# Altium PCB qfc.PcbDoc (part 4 of 13)
Units mil, origin at the board's own origin, x right, y up, seen from the top; angles counter-clockwise.
Board outline 1990 x 2620 mil, 4 copper layers (Top Layer, Mid-Layer 1, Mid-Layer 2, Bottom Layer); 217 components, 187 nets, 805 pads, 370 vias.
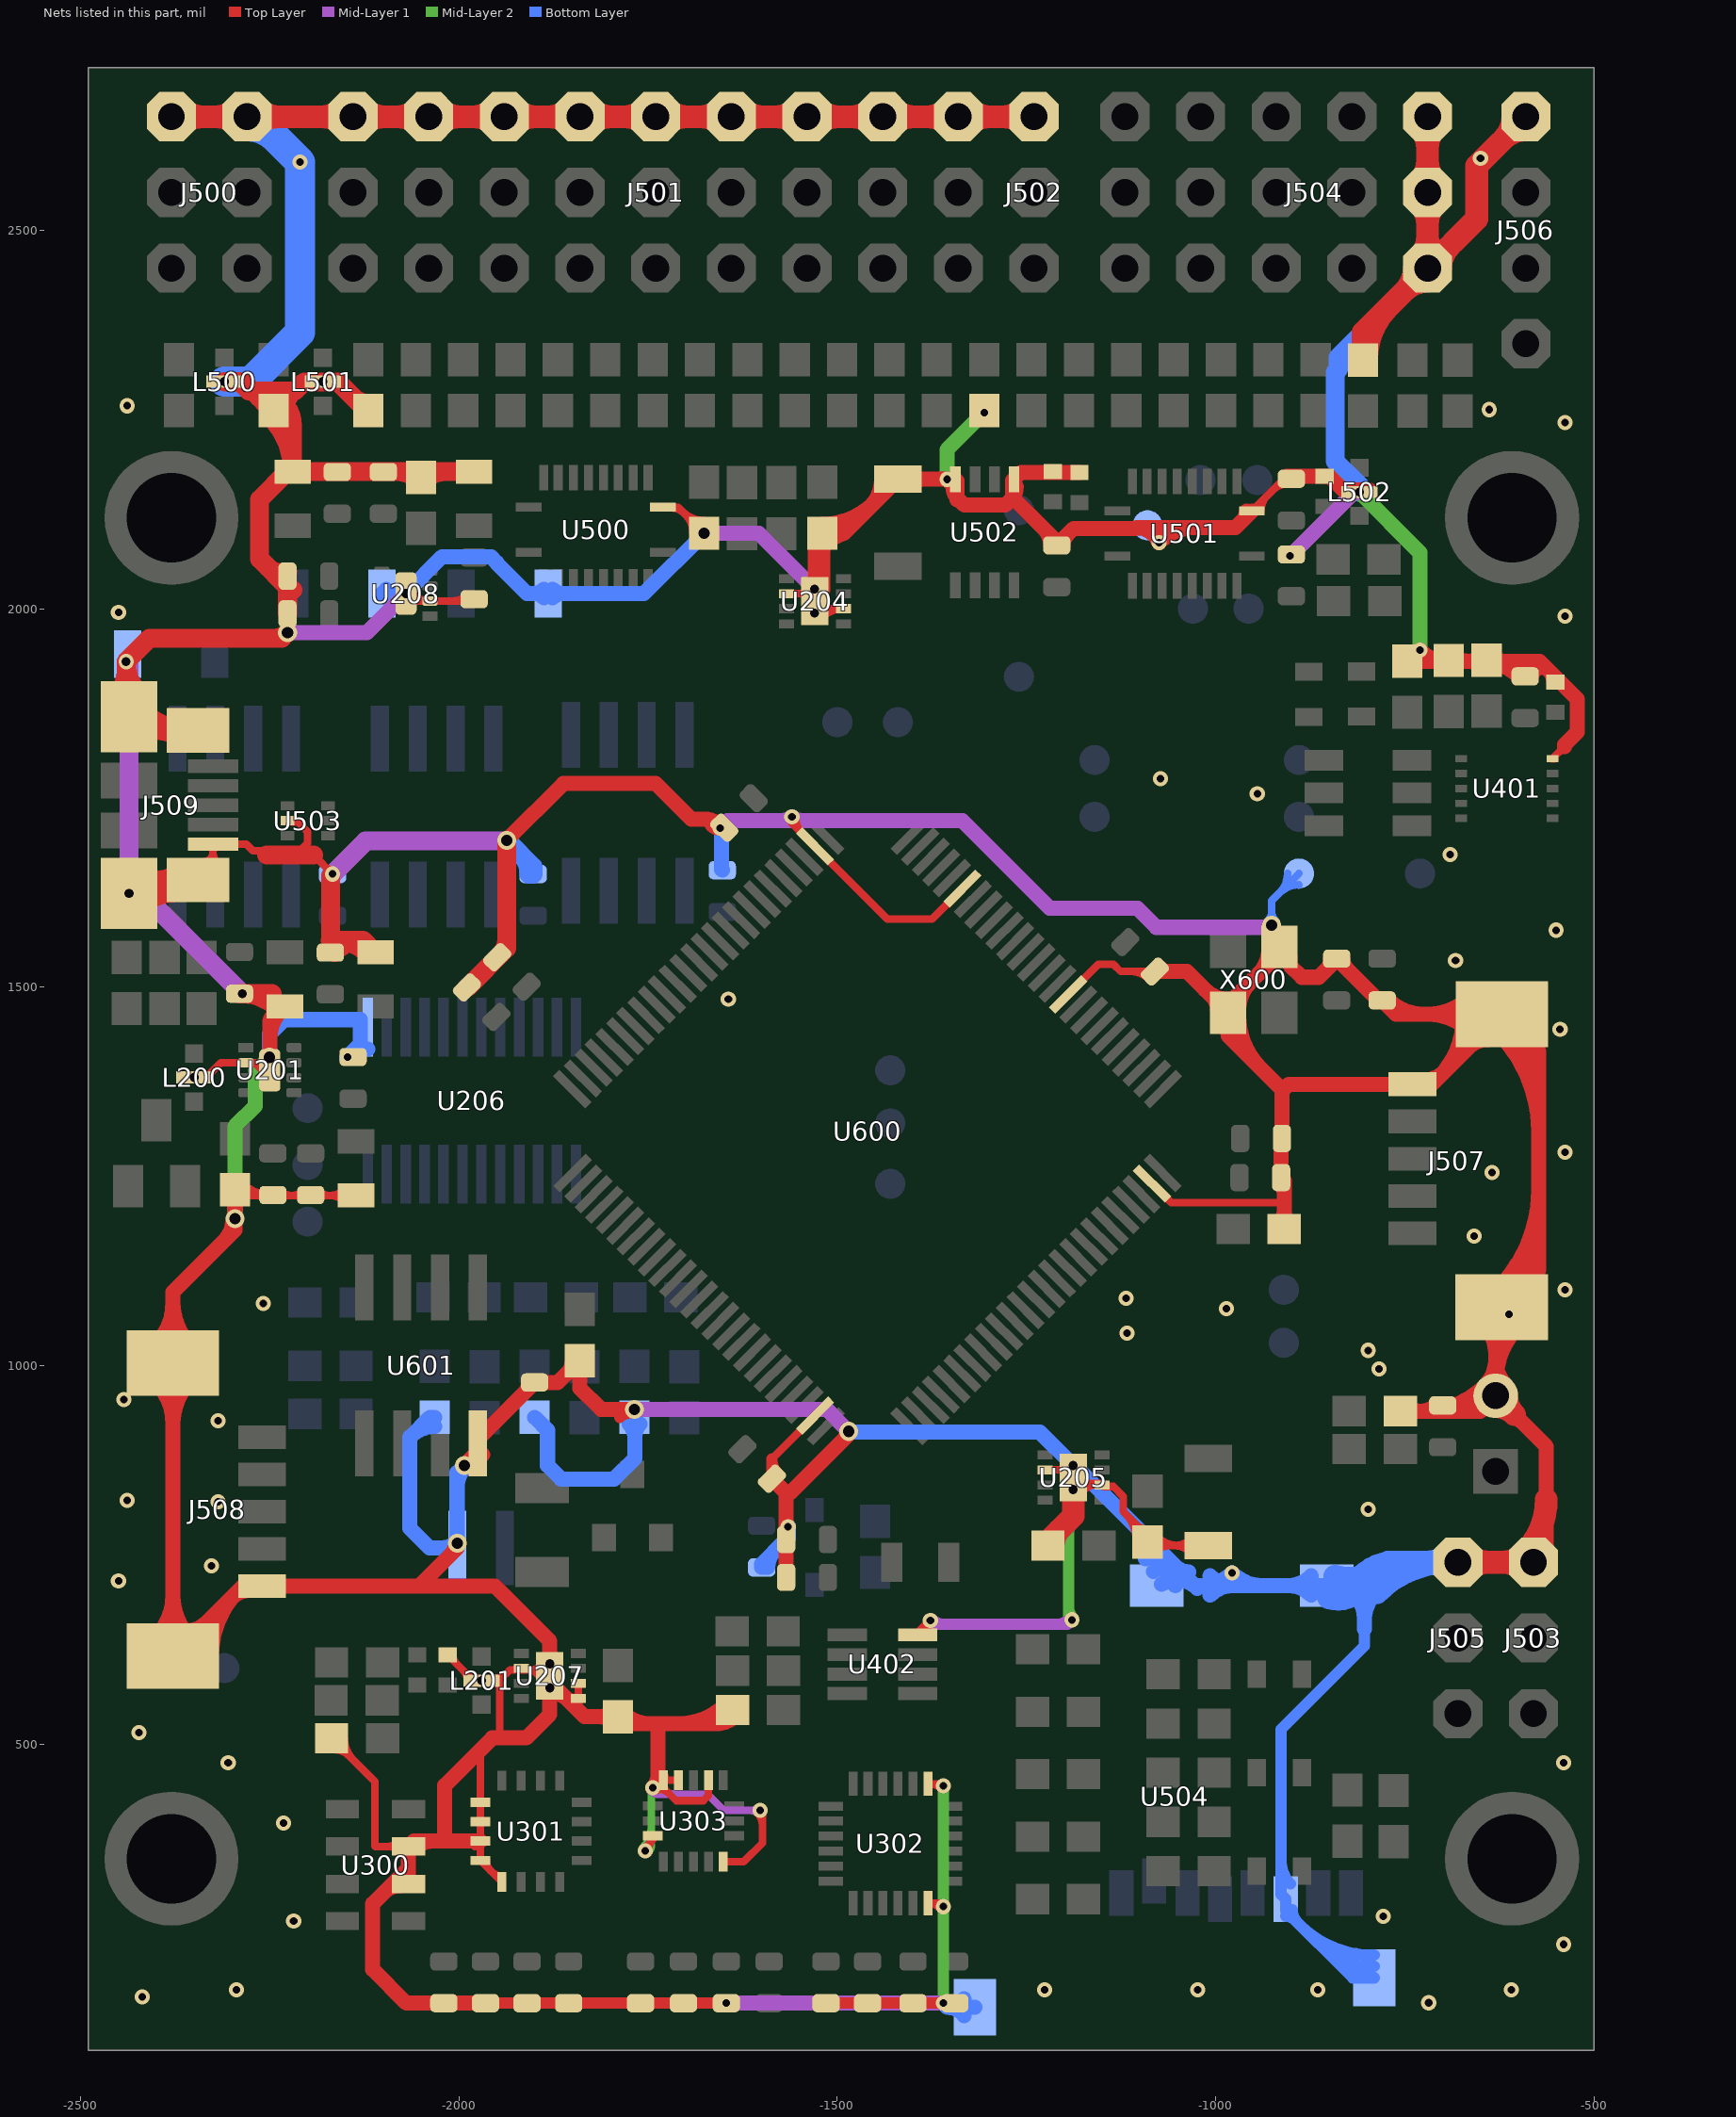
[diagram p6: the nets of this part, all layers, seen from the top]

## Via types
v1: diameter 20, hole 10, Top Layer to Bottom Layer, tented both sides, 256 vias
v2: diameter 22, hole 12, Top Layer to Bottom Layer, tented both sides, 31 vias
v3: diameter 25, hole 15, Top Layer to Bottom Layer, tented both sides, 29 vias
v4: diameter 20, hole 12, Top Layer to Bottom Layer, tented both sides, 17 vias
v5: diameter 30, hole 15, Top Layer to Bottom Layer, tented both sides, 12 vias
v6: diameter 25, hole 12, Top Layer to Bottom Layer, tented both sides, 11 vias
v7: diameter 25, hole 13, Top Layer to Bottom Layer, tented both sides, 5 vias
v8: diameter 40, hole 25, Top Layer to Bottom Layer, tented both sides, 2 vias
v9: diameter 23, hole 13, Top Layer to Bottom Layer, tented both sides, 2 vias
v10: diameter 30, hole 20, Top Layer to Bottom Layer, tented both sides, 2 vias
v11: diameter 20, hole 13, Top Layer to Bottom Layer, tented both sides, 1 vias
v12: diameter 20, hole 15, Top Layer to Bottom Layer, tented both sides, 1 vias
v13: diameter 30, hole 18, Top Layer to Bottom Layer, tented both sides, 1 vias

## Nets (pads, with @x,y where several pads share a name; then routed paths per layer and width w, separated by ;. In a path a pad name is that pad's centre, name@x,y a point inside that pad or via, vN(x,y) a via of type N, cw(c..) or ccw(c..) an arc to the next point about the centre after c; other vN are vias at no path point) (continued)
GND: "C 600.P$2" "C 601.P$1" B600.- C200.P$1 C201.P$2 C202.P$1 C203.P$2 C204.P$1 C205.P$2 C206.P$2 C207.2 C208.P$2 C209.2 C210.P$2 C211.P$2 C212.P$2 C213.2 C214.P$2 C215.P$2 C216.P$2 C217.2 C218.P$2 C219.P$2 C220.2 C221.P$2 C300.P$2 C301.P$2 C302.P$2 C303.P$2 C304.P$2 C305.P$2 C306.P$2 C307.P$2 C308.P$2 C309.P$2 C311.P$2 C400.P$2 C401.P$2 C402.P$2 C403.P$2 C500.P$2 C501.P$2 C502.P$1 C503.P$2 C600.P$2 C601.P$2 C602.P$2 C603.P$2 C604.P$2 C605.P$2 C606.P$2 C607.P$1 C608.P$2 D202.A D400.A D500.A D501.A D502.A GND..P$1 GND.P$1 J500.GND J501.GND J502.GND J503.GND J504.GND J505.GND J506.GND J507.5 J507.GND J508.5 J508.GND J509.GND J509.GND1 J509.GND2 J509.GND3 J509.GND4 L200.GND L201.GND L500.GND L501.GND L502.GND P400.2 R201.1 R210.1 R212.1 R215.1 R218.1 R219.1 R220.1 R221.1 R222.1 R223.2 R226.1 R227.1 R401.1 R404.1 R407.2 R409.2 R412.1 R413.1 R506.1 R507.1 R513.1 R601.1 U201.2 U201.GND U204.2 U204.6 U204.GND U205.2 U205.6 U205.GND U206.13 U207.2 U207.5 U207.6 U207.GND U208.2 U208.GND U300.2 U300.3 U301.9 U301.10 U301.11 U301.12 U301.13 U302.1 U302.18 U303.5 U303.10 U303.12 U303.13 U303.16 U401.5 U402.4 U500.11 U501.11 U502.1 U502.4 U503.2 U504.6 U600.20 U600.VSS U601.4 X600.2 X600.4 | length 65593.6
  Top Layer w10: L200.GND@-2334,1380.74 -2314.74,1400 U201.2@-2281.5,1400 -2269.78,1400 -2259.78,1390 U201.GND@-2250,1390 ; J509.GND3@-2325,1661.57 -2325,1678 ; J509.GND@-2325,1688.82 -2281.18,1688.82 -2272.36,1680 -2210,1680 -2200,1690 -2200,1705.4 -2212.6,1718 -2224.57,1718 U503.2@-2226.57,1720 ; R201.1@-2296,1232.23 -2288.46,1224.69 C207.2@-2136,1224.69 ; L501.GND@-2195.75,2300 L501.GND@-2158.09,2300 ; -2192.17,1674.5 v1(-2167,1649.32) ; R226.1@-2168.46,507.61 -2111,450.15 -2111,365 -2110.61,364.61 U300.3@-2066.69,364.61 ; v1(-2147.44,1407.56) C210.P$2@-2140,1407.56 ; C209.2@-2110.44,1545.56 C209.2@-2110,1546 ; v4(-2070,2020) -2060,2010 U208.2@-2038.5,2010 ; D202.A@-2015,617.61 -1986,588.61 L201.GND@-1986,583.61 ; C500.P$2@-1980,2012.44 -1982.44,2010 U208.2@-2038.5,2010 ; -1979.06,364.61 U301.11@-1971.93,371.73 ; -1971.93,482.07 U301.9@-1971.93,422.91 U301.12@-1971.93,346.14 U301.13@-1943.39,317.6 ; L201.GND@-1954.25,583.61 L201.GND@-1946.76,583.61 ; -1946,508 -1946,582.86 L201.GND@-1946.76,583.61 ; U207.GND@-1894.43,590 -1902.43,598 ; U207.5@-1842,560 U207.6@-1842,580 ; v1@-1754,363.37 U303.16@-1744,373.37 ; U303.16@-1744,378.58 U303.16@-1744,373.37 ; U500.11@-1730.42,2134 -1710.46,2134 v5(-1676,2099.54) ; U303.12@-1710,452.27 U303.13@-1730,452.27 -1730,442 -1713,425 -1677,425 -1670.31,431.69 U303.10@-1670.31,452.27 ; U303.5@-1650.63,344.33 -1623.67,344.33 -1599,369 -1599,409 v1(-1602,412) ; -1586.51,876.6 U600.VSS@-1529.3,933.82 ; U204.2@-1567.4,2019.84 -1539.84,2019.84 U204.GND@-1530,2010 ; v1@-1560,1716.23 U600.VSS@-1529.6,1685.83 -1433.77,1590 -1374.87,1590 U600.20@-1334.73,1630.15 ; U204.GND@-1520,2000 U204.6@-1492,2000 ; U302.1@-1380,447.27 v1@-1362.27,447.27 ; v1@-1364.53,289.53 U302.18@-1380,289.53 ; v1(-1305.93,2259.07) R412.1@-1305.93,2261.54 ; U205.2@-1225.59,862 U205.GND@-1197,862 ; U600.VSS@-1194.86,1490.28 -1155.15,1530 -1135,1530 -1125.51,1520.51 C602.P$2@-1080.51,1520.51 ; U205.GND@-1188.19,836.16 U205.GND@-1188.19,852.16 ; U205.GND@-1180.03,844 U205.6@-1152.03,844 ; U600.VSS@-1084.15,1240.38 -1058.77,1215 -909.52,1215 ; v1(-1075,2087) -1075,2105 ; C215.P$2@-1010,762 -1085.46,762 R222.1@-1090,766.54 -1090,775.03 -1122,807.03 -1122,826.94 -1135.22,840.16 -1148.19,840.16 U205.6@-1150.19,842.16 U205.6@-1152.03,844 ; U501.11@-952.17,2128.96 -906.14,2175 -847,2175 L502.GND@-826,2154 ; v1(-901.56,2070) C502.P$1@-900,2071.56 ; -784.88,1482.44 -780,1482.44 ; U401.5@-555,1801.74 -539.03,1817.71 ; J509.GND3@-2335.78,1665.92 ccw(c-2337.16,1678) -2325,1678 ; J509.GND3@-2335.78,1665.92 ccw(c-2337.16,1678) -2325,1678 ; J509.GND3@-2335.78,1665.92 ccw(c-2337.16,1678) -2325,1678 ; J509.GND3@-2335.78,1665.92 ccw(c-2337.16,1678) -2325,1678 ; J509.GND@-2327.83,1685.99 cw(c-2334.66,1679.16) -2325,1679.16 ; J509.GND@-2327.83,1685.99 cw(c-2334.66,1679.16) -2325,1679.16 ; J509.GND@-2327.83,1685.99 cw(c-2334.66,1679.16) -2325,1679.16 ; J509.GND@-2327.83,1685.99 cw(c-2334.66,1679.16) -2325,1679.16 ; J509.GND@-2327.83,1685.99 cw(c-2334.66,1679.16) -2325,1679.16 ; J509.GND@-2327.83,1685.99 cw(c-2334.66,1679.16) -2325,1679.16 ; J509.GND@-2327.83,1685.99 cw(c-2334.66,1679.16) -2325,1679.16 ; J509.GND@-2327.83,1685.99 cw(c-2334.66,1679.16) -2325,1679.16 ; -2325,1678 ccw(c-2301.05,1678) J509.GND3@-2316.84,1659.99 ; -2325,1678 ccw(c-2301.05,1678) J509.GND3@-2316.84,1659.99 ; -2325,1678 ccw(c-2301.05,1678) J509.GND3@-2316.84,1659.99 ; -2325,1678 ccw(c-2301.05,1678) J509.GND3@-2316.84,1659.99 ; -2325,1679.16 cw(c-2315.34,1679.16) J509.GND@-2322.17,1685.99 ; -2325,1679.16 cw(c-2315.34,1679.16) J509.GND@-2322.17,1685.99 ; -2325,1679.16 cw(c-2315.34,1679.16) J509.GND@-2322.17,1685.99 ; -2325,1679.16 cw(c-2315.34,1679.16) J509.GND@-2322.17,1685.99 ; -2325,1679.16 cw(c-2315.34,1679.16) J509.GND@-2322.17,1685.99 ; -2325,1679.16 cw(c-2315.34,1679.16) J509.GND@-2322.17,1685.99 ; -2325,1679.16 cw(c-2315.34,1679.16) J509.GND@-2322.17,1685.99 ; -2325,1679.16 cw(c-2315.34,1679.16) J509.GND@-2322.17,1685.99 ; J509.GND@-2297.67,1685.99 cw(c-2290.84,1679.16) -2290.84,1688.82 ; J509.GND@-2297.67,1685.99 cw(c-2290.84,1679.16) -2290.84,1688.82 ; J509.GND@-2297.67,1685.99 cw(c-2290.84,1679.16) -2290.84,1688.82 ; J509.GND@-2297.67,1685.99 cw(c-2290.84,1679.16) -2290.84,1688.82 ; J509.GND@-2297.67,1691.65 ccw(c-2290.84,1698.47) -2290.84,1688.82 ; J509.GND@-2297.67,1691.65 ccw(c-2290.84,1698.47) -2290.84,1688.82 ; J509.GND@-2297.67,1691.65 ccw(c-2290.84,1698.47) -2290.84,1688.82 ; J509.GND@-2297.67,1691.65 ccw(c-2290.84,1698.47) -2290.84,1688.82 ; R201.1@-2292.46,1233.76 ccw(c-2270.56,1255.67) -2270.56,1224.69 ; R201.1@-2292.46,1233.76 ccw(c-2270.56,1255.67) -2270.56,1224.69 ; R201.1@-2292.46,1233.76 ccw(c-2270.56,1255.67) -2270.56,1224.69 ; R201.1@-2292.46,1233.76 ccw(c-2270.56,1255.67) -2270.56,1224.69 ; R201.1@-2285.39,1219.62 cw(c-2273.15,1207.38) -2273.15,1224.69 ; R201.1@-2285.39,1219.62 cw(c-2273.15,1207.38) -2273.15,1224.69 ; R201.1@-2285.39,1219.62 cw(c-2273.15,1207.38) -2273.15,1224.69 ; R201.1@-2285.39,1219.62 cw(c-2273.15,1207.38) -2273.15,1224.69 ; R201.1@-2285.39,1240.84 ccw(c-2246.42,1279.81) C206.P$2@-2246.42,1224.69 ; R201.1@-2285.39,1240.84 ccw(c-2246.42,1279.81) C206.P$2@-2246.42,1224.69 ; R201.1@-2285.39,1240.84 ccw(c-2246.42,1279.81) C206.P$2@-2246.42,1224.69 ; R201.1@-2285.39,1240.84 ccw(c-2246.42,1279.81) C206.P$2@-2246.42,1224.69 ; U201.2@-2277.22,1399.04 cw(c-2274.02,1388.04) -2265.92,1396.14 ; U201.2@-2277.22,1399.04 cw(c-2274.02,1388.04) -2265.92,1396.14 ; U201.2@-2277.22,1399.04 cw(c-2274.02,1388.04) -2265.92,1396.14 ; U201.2@-2277.22,1399.04 cw(c-2274.02,1388.04) -2265.92,1396.14 ; -2269.96,1224.69 ccw(c-2269.96,1243.09) C206.P$2@-2256.95,1230.08 ; -2269.96,1224.69 ccw(c-2269.96,1243.09) C206.P$2@-2256.95,1230.08 ; -2269.96,1224.69 ccw(c-2269.96,1243.09) C206.P$2@-2256.95,1230.08 ; -2269.96,1224.69 ccw(c-2269.96,1243.09) C206.P$2@-2256.95,1230.08 ; -2267.84,1224.69 cw(c-2267.84,1209.3) C206.P$2@-2256.95,1220.18 ; -2267.84,1224.69 cw(c-2267.84,1209.3) C206.P$2@-2256.95,1220.18 ; -2267.84,1224.69 cw(c-2267.84,1209.3) C206.P$2@-2256.95,1220.18 ; -2267.84,1224.69 cw(c-2267.84,1209.3) C206.P$2@-2256.95,1220.18 ; C206.P$2@-2235.05,1220.18 cw(c-2224.16,1209.3) -2224.16,1224.69 ; C206.P$2@-2235.05,1220.18 cw(c-2224.16,1209.3) -2224.16,1224.69 ; C206.P$2@-2235.05,1220.18 cw(c-2224.16,1209.3) -2224.16,1224.69 ; C206.P$2@-2235.05,1220.18 cw(c-2224.16,1209.3) -2224.16,1224.69 ; C206.P$2@-2235.05,1230.08 ccw(c-2222.04,1243.09) -2222.04,1224.69 ; C206.P$2@-2235.05,1230.08 ccw(c-2222.04,1243.09) -2222.04,1224.69 ; C206.P$2@-2235.05,1230.08 ccw(c-2222.04,1243.09) -2222.04,1224.69 ; C206.P$2@-2235.05,1230.08 ccw(c-2222.04,1243.09) -2222.04,1224.69 ; U503.2@-2222.87,1720.71 ccw(c-2216.33,1727.24) -2216.33,1718 ; U503.2@-2222.87,1720.71 ccw(c-2216.33,1727.24) -2216.33,1718 ; U503.2@-2222.87,1720.71 ccw(c-2216.33,1727.24) -2216.33,1718 ; U503.2@-2222.87,1720.71 ccw(c-2216.33,1727.24) -2216.33,1718 ; -2219.96,1224.69 ccw(c-2219.96,1243.09) C205.P$2@-2206.95,1230.08 ; -2219.96,1224.69 ccw(c-2219.96,1243.09) C205.P$2@-2206.95,1230.08 ; -2219.96,1224.69 ccw(c-2219.96,1243.09) C205.P$2@-2206.95,1230.08 ; -2219.96,1224.69 ccw(c-2219.96,1243.09) C205.P$2@-2206.95,1230.08 ; -2217.84,1224.69 cw(c-2217.84,1209.3) C205.P$2@-2206.95,1220.18 ; -2217.84,1224.69 cw(c-2217.84,1209.3) C205.P$2@-2206.95,1220.18 ; -2217.84,1224.69 cw(c-2217.84,1209.3) C205.P$2@-2206.95,1220.18 ; -2217.84,1224.69 cw(c-2217.84,1209.3) C205.P$2@-2206.95,1220.18 ; C205.P$2@-2185.05,1220.18 cw(c-2174.16,1209.3) -2174.16,1224.69 ; C205.P$2@-2185.05,1220.18 cw(c-2174.16,1209.3) -2174.16,1224.69 ; C205.P$2@-2185.05,1220.18 cw(c-2174.16,1209.3) -2174.16,1224.69 ; C205.P$2@-2185.05,1220.18 cw(c-2174.16,1209.3) -2174.16,1224.69 ; C205.P$2@-2185.05,1230.08 ccw(c-2172.04,1243.09) -2172.04,1224.69 ; C205.P$2@-2185.05,1230.08 ccw(c-2172.04,1243.09) -2172.04,1224.69 ; C205.P$2@-2185.05,1230.08 ccw(c-2172.04,1243.09) -2172.04,1224.69 ; C205.P$2@-2185.05,1230.08 ccw(c-2172.04,1243.09) -2172.04,1224.69 ; -2175.54,1657.86 cw(c-2184.07,1649.32) v1@-2172,1649.32 ; -2175.54,1657.86 ccw(c-2167,1666.4) v1@-2167,1654.32 ; -2175.54,1657.86 cw(c-2184.07,1649.32) v1@-2172,1649.32 ; -2175.54,1657.86 ccw(c-2167,1666.4) v1@-2167,1654.32 ; -2175.54,1657.86 cw(c-2184.07,1649.32) v1@-2172,1649.32 ; -2175.54,1657.86 ccw(c-2167,1666.4) v1@-2167,1654.32 ; -2175.54,1657.86 cw(c-2184.07,1649.32) v1@-2172,1649.32 ; -2175.54,1657.86 ccw(c-2167,1666.4) v1@-2167,1654.32 ; -2170.56,1224.69 cw(c-2170.56,1198.14) C207.2@-2151.78,1216.91 ; -2170.56,1224.69 ccw(c-2170.56,1251.25) C207.2@-2151.78,1232.47 ; -2170.56,1224.69 cw(c-2170.56,1198.14) C207.2@-2151.78,1216.91 ; -2170.56,1224.69 ccw(c-2170.56,1251.25) C207.2@-2151.78,1232.47 ; -2170.56,1224.69 cw(c-2170.56,1198.14) C207.2@-2151.78,1216.91 ; -2170.56,1224.69 ccw(c-2170.56,1251.25) C207.2@-2151.78,1232.47 ; -2170.56,1224.69 cw(c-2170.56,1198.14) C207.2@-2151.78,1216.91 ; -2170.56,1224.69 ccw(c-2170.56,1251.25) C207.2@-2151.78,1232.47 ; R226.1@-2166.46,492.61 cw(c-2166.46,461.23) -2144.27,483.42 ; R226.1@-2166.46,492.61 cw(c-2166.46,461.23) -2144.27,483.42 ; R226.1@-2166.46,492.61 cw(c-2166.46,461.23) -2144.27,483.42 ; R226.1@-2166.46,492.61 cw(c-2166.46,461.23) -2144.27,483.42 ; R226.1@-2151.46,507.61 ccw(c-2110.42,507.61) -2139.44,478.59 ; R226.1@-2151.46,507.61 ccw(c-2110.42,507.61) -2139.44,478.59 ; R226.1@-2151.46,507.61 ccw(c-2110.42,507.61) -2139.44,478.59 ; R226.1@-2151.46,507.61 ccw(c-2110.42,507.61) -2139.44,478.59 ; -2093.59,364.61 cw(c-2093.59,347.71) U300.3@-2081.64,359.66 ; -2093.59,364.61 ccw(c-2093.59,381.51) U300.3@-2081.64,369.56 ; -2093.59,364.61 cw(c-2093.59,347.71) U300.3@-2081.64,359.66 ; -2093.59,364.61 ccw(c-2093.59,381.51) U300.3@-2081.64,369.56 ; -2093.59,364.61 cw(c-2093.59,347.71) U300.3@-2081.64,359.66 ; -2093.59,364.61 ccw(c-2093.59,381.51) U300.3@-2081.64,369.56 ; -2093.59,364.61 cw(c-2093.59,347.71) U300.3@-2081.64,359.66 ; -2093.59,364.61 ccw(c-2093.59,381.51) U300.3@-2081.64,369.56 ; U208.GND@-2073.88,2016.85 ccw(c-2059.5,2028.52) U208.GND@-2059.5,2010 ; U208.GND@-2073.88,2016.85 ccw(c-2059.5,2028.52) U208.GND@-2059.5,2010 ; U208.GND@-2073.88,2016.85 ccw(c-2059.5,2028.52) U208.GND@-2059.5,2010 ; U208.GND@-2073.88,2016.85 ccw(c-2059.5,2028.52) U208.GND@-2059.5,2010 ; U208.GND@-2066.12,2023.15 ccw(c-2038.5,2045.56) U208.2@-2038.5,2010 ; U208.GND@-2066.12,2023.15 ccw(c-2038.5,2045.56) U208.2@-2038.5,2010 ; U208.GND@-2066.12,2023.15 ccw(c-2038.5,2045.56) U208.2@-2038.5,2010 ; U208.GND@-2066.12,2023.15 ccw(c-2038.5,2045.56) U208.2@-2038.5,2010 ; -2008.79,2010 ccw(c-2008.79,2035.23) C500.P$2@-1990.95,2017.39 ; -2008.79,2010 ccw(c-2008.79,2035.23) C500.P$2@-1990.95,2017.39 ; -2008.79,2010 ccw(c-2008.79,2035.23) C500.P$2@-1990.95,2017.39 ; -2008.79,2010 ccw(c-2008.79,2035.23) C500.P$2@-1990.95,2017.39 ; D202.A@-2008,617.61 ccw(c-1991.1,617.61) -2003.05,605.66 ; D202.A@-2008,617.61 ccw(c-1991.1,617.61) -2003.05,605.66 ; D202.A@-2008,617.61 ccw(c-1991.1,617.61) -2003.05,605.66 ; D202.A@-2008,617.61 ccw(c-1991.1,617.61) -2003.05,605.66 ; -1994.66,597.27 cw(c-2008.31,583.61) L201.GND@-1989,583.61 ; -1994.66,597.27 cw(c-2008.31,583.61) L201.GND@-1989,583.61 ; -1994.66,597.27 cw(c-2008.31,583.61) L201.GND@-1989,583.61 ; -1994.66,597.27 cw(c-2008.31,583.61) L201.GND@-1989,583.61 ; U301.12@-1963.93,346.14 ccw(c-1944.62,346.14) -1958.27,332.49 ; U301.12@-1963.93,346.14 ccw(c-1944.62,346.14) -1958.27,332.49 ; U301.12@-1963.93,346.14 ccw(c-1944.62,346.14) -1958.27,332.49 ; U301.12@-1963.93,346.14 ccw(c-1944.62,346.14) -1958.27,332.49 ; -1957.04,331.25 ccw(c-1943.39,344.91) U301.13@-1943.39,325.6 ; -1957.04,331.25 ccw(c-1943.39,344.91) U301.13@-1943.39,325.6 ; -1957.04,331.25 ccw(c-1943.39,344.91) U301.13@-1943.39,325.6 ; -1957.04,331.25 ccw(c-1943.39,344.91) U301.13@-1943.39,325.6 ; L201.GND@-1954.25,586.61 ccw(c-1954.25,611.95) -1936.34,594.03 ; L201.GND@-1954.25,586.61 ccw(c-1954.25,611.95) -1936.34,594.03 ; L201.GND@-1954.25,586.61 ccw(c-1954.25,611.95) -1936.34,594.03 ; L201.GND@-1954.25,586.61 ccw(c-1954.25,611.95) -1936.34,594.03 ; L201.GND@-1946.76,583.61 -1932.37,598 -1902.43,598 ; -1928.26,598 ccw(c-1928.26,606.7) U207.2@-1922.11,600.55 ; -1928.26,598 ccw(c-1928.26,606.7) U207.2@-1922.11,600.55 ; -1928.26,598 ccw(c-1928.26,606.7) U207.2@-1922.11,600.55 ; -1928.26,598 ccw(c-1928.26,606.7) U207.2@-1922.11,600.55 ; U207.2@-1912.69,600.55 ccw(c-1906.54,606.7) -1906.54,598 ; U207.2@-1912.69,600.55 ccw(c-1906.54,606.7) -1906.54,598 ; U207.2@-1912.69,600.55 ccw(c-1906.54,606.7) -1906.54,598 ; U207.2@-1912.69,600.55 ccw(c-1906.54,606.7) -1906.54,598 ; -1902.43,598 ccw(c-1902.43,607.85) U207.GND@-1892.76,605.97 ; -1902.43,598 ccw(c-1902.43,607.85) U207.GND@-1892.76,605.97 ; -1902.43,598 ccw(c-1902.43,607.85) U207.GND@-1892.76,605.97 ; -1902.43,598 ccw(c-1902.43,607.85) U207.GND@-1892.76,605.97 ; -1898.11,598 cw(c-1898.11,585.39) U207.GND@-1889.19,594.31 ; -1898.11,598 cw(c-1898.11,585.39) U207.GND@-1889.19,594.31 ; -1898.11,598 cw(c-1898.11,585.39) U207.GND@-1889.19,594.31 ; -1898.11,598 cw(c-1898.11,585.39) U207.GND@-1889.19,594.31 ; v1@-1749.02,359.46 cw(c-1731.7,361.07) U303.16@-1744,373.37 ; v1@-1749.02,359.46 cw(c-1731.7,361.07) U303.16@-1744,373.37 ; v1@-1749.02,359.46 cw(c-1731.7,361.07) U303.16@-1744,373.37 ; v1@-1749.02,359.46 cw(c-1731.7,361.07) U303.16@-1744,373.37 ; v1@-1746.42,446.38 cw(c-1740.72,436.07) U303.13@-1732.4,444.4 ; v1@-1746.42,446.38 cw(c-1740.72,436.07) U303.13@-1732.4,444.4 ; v1@-1746.42,446.38 cw(c-1740.72,436.07) U303.13@-1732.4,444.4 ; v1@-1741.58,437.62 cw(c-1734.03,423.97) -1723,435 ; v1@-1741.58,437.62 cw(c-1734.03,423.97) -1723,435 ; v1@-1741.58,437.62 cw(c-1734.03,423.97) -1723,435 ; U303.13@-1729,445.27 ccw(c-1718.7,445.27) -1725.98,437.98 ; U303.13@-1729,445.27 ccw(c-1718.7,445.27) -1725.98,437.98 ; U303.13@-1729,445.27 ccw(c-1718.7,445.27) -1725.98,437.98 ; U303.13@-1729,445.27 ccw(c-1718.7,445.27) -1725.98,437.98 ; U500.11@-1719.42,2133 cw(c-1719.42,2108.97) -1702.42,2125.96 ; U500.11@-1719.42,2133 cw(c-1719.42,2108.97) -1702.42,2125.96 ; U500.11@-1719.42,2133 cw(c-1719.42,2108.97) -1702.42,2125.96 ; U500.11@-1719.42,2133 cw(c-1719.42,2108.97) -1702.42,2125.96 ; U500.11@-1719.16,2133.03 cw(c-1715.6,2119.91) -1705.99,2129.52 ; U500.11@-1719.16,2133.03 cw(c-1715.6,2119.91) -1705.99,2129.52 ; U500.11@-1719.16,2133.03 cw(c-1715.6,2119.91) -1705.99,2129.52 ; U500.11@-1719.16,2133.03 cw(c-1715.6,2119.91) -1705.99,2129.52 ; -1705.02,2128.56 ccw(c-1676,2157.58) R220.1@-1676,2116.54 ; -1705.02,2128.56 ccw(c-1676,2157.58) R220.1@-1676,2116.54 ; -1705.02,2128.56 ccw(c-1676,2157.58) R220.1@-1676,2116.54 ; -1705.02,2128.56 ccw(c-1676,2157.58) R220.1@-1676,2116.54 ; -1700.19,2123.73 cw(c-1722.38,2101.54) R220.1@-1691,2101.54 ; -1700.19,2123.73 cw(c-1722.38,2101.54) R220.1@-1691,2101.54 ; -1700.19,2123.73 cw(c-1722.38,2101.54) R220.1@-1691,2101.54 ; -1700.19,2123.73 cw(c-1722.38,2101.54) R220.1@-1691,2101.54 ; R220.1@-1693.07,2116.61 cw(c-1710.14,2099.54) R220.1@-1686,2099.54 ; R220.1@-1693.07,2116.61 ccw(c-1676,2133.68) R220.1@-1676,2109.54 ; R220.1@-1693.07,2116.61 cw(c-1710.14,2099.54) R220.1@-1686,2099.54 ; R220.1@-1693.07,2116.61 ccw(c-1676,2133.68) R220.1@-1676,2109.54 ; R220.1@-1693.07,2116.61 cw(c-1710.14,2099.54) R220.1@-1686,2099.54 ; R220.1@-1693.07,2116.61 ccw(c-1676,2133.68) R220.1@-1676,2109.54 ; R220.1@-1693.07,2116.61 cw(c-1710.14,2099.54) R220.1@-1686,2099.54 ; R220.1@-1693.07,2116.61 ccw(c-1676,2133.68) R220.1@-1676,2109.54 ; v1@-1605.54,408.46 cw(c-1621.31,392.69) -1599,392.69 ; v1@-1605.54,408.46 cw(c-1621.31,392.69) -1599,392.69 ; v1@-1605.54,408.46 cw(c-1621.31,392.69) -1599,392.69 ; v1@-1605.54,408.46 cw(c-1621.31,392.69) -1599,392.69 ; v1@-1555,1725 ccw(c-1521.75,1725) U600.VSS@-1545.26,1701.49 ; v1@-1555,1725 ccw(c-1521.75,1725) U600.VSS@-1545.26,1701.49 ; v1@-1555,1725 ccw(c-1521.75,1725) U600.VSS@-1545.26,1701.49 ; v1@-1555,1725 ccw(c-1521.75,1725) U600.VSS@-1545.26,1701.49 ; -1553.92,2019.84 ccw(c-1553.92,2049.66) U204.GND@-1532.83,2028.58 ; -1553.92,2019.84 ccw(c-1553.92,2049.66) U204.GND@-1532.83,2028.58 ; -1553.92,2019.84 ccw(c-1553.92,2049.66) U204.GND@-1532.83,2028.58 ; -1553.92,2019.84 ccw(c-1553.92,2049.66) U204.GND@-1532.83,2028.58 ; U204.GND@-1527.17,1991.17 cw(c-1505.86,1969.86) -1505.86,2000 ; U204.GND@-1527.17,1991.17 cw(c-1505.86,1969.86) -1505.86,2000 ; U204.GND@-1527.17,1991.17 cw(c-1505.86,1969.86) -1505.86,2000 ; U204.GND@-1527.17,1991.17 cw(c-1505.86,1969.86) -1505.86,2000 ; U204.GND@-1520.81,2005.69 ccw(c-1507.06,2019.44) -1507.06,2000 ; U204.GND@-1520.81,2005.69 ccw(c-1507.06,2019.44) -1507.06,2000 ; U204.GND@-1520.81,2005.69 ccw(c-1507.06,2019.44) -1507.06,2000 ; U204.GND@-1520.81,2005.69 ccw(c-1507.06,2019.44) -1507.06,2000 ; U204.GND@-1520.5,1987.63 cw(c-1492,1961) U204.6@-1492,2000 ; U204.GND@-1520.5,1987.63 cw(c-1492,1961) U204.6@-1492,2000 ; U204.GND@-1520.5,1987.63 cw(c-1492,1961) U204.6@-1492,2000 ; U204.GND@-1520.5,1987.63 cw(c-1492,1961) U204.6@-1492,2000 ; U302.18@-1380,289.53 cw(c-1380,268.78) v1@-1363.88,281.85 ; U302.18@-1380,289.53 cw(c-1380,268.78) v1@-1363.88,281.85 ; U302.18@-1380,289.53 cw(c-1380,268.78) v1@-1363.88,281.85 ; U302.18@-1380,289.53 cw(c-1380,268.78) v1@-1363.88,281.85 ; U302.1@-1378.43,447.27 cw(c-1378.43,426.21) v1@-1363.54,441.1 ; U302.1@-1378.43,447.27 cw(c-1378.43,426.21) v1@-1363.54,441.1 ; U302.1@-1378.43,447.27 cw(c-1378.43,426.21) v1@-1363.54,441.1 ; U302.1@-1378.43,447.27 cw(c-1378.43,426.21) v1@-1363.54,441.1 ; -1212.1,862 ccw(c-1212.1,891.82) U205.GND@-1191.02,870.73 ; -1212.1,862 ccw(c-1212.1,891.82) U205.GND@-1191.02,870.73 ; -1212.1,862 ccw(c-1212.1,891.82) U205.GND@-1191.02,870.73 ; -1212.1,862 ccw(c-1212.1,891.82) U205.GND@-1191.02,870.73 ; U205.GND@-1192.43,840.4 cw(c-1183.74,831.71) U205.GND@-1183.74,844 ; U205.GND@-1192.43,840.4 cw(c-1183.74,831.71) U205.GND@-1183.74,844 ; U205.GND@-1192.43,840.4 cw(c-1183.74,831.71) U205.GND@-1183.74,844 ; U205.GND@-1192.43,840.4 cw(c-1183.74,831.71) U205.GND@-1183.74,844 ; U205.GND@-1191.02,838.98 ccw(c-1197.85,845.81) U205.GND@-1188.19,845.81 ; U205.GND@-1191.02,838.98 ccw(c-1197.85,845.81) U205.GND@-1188.19,845.81 ; U205.GND@-1191.02,838.98 ccw(c-1197.85,845.81) U205.GND@-1188.19,845.81 ; U205.GND@-1191.02,838.98 ccw(c-1197.85,845.81) U205.GND@-1188.19,845.81 ; U205.GND@-1188.19,845.81 ccw(c-1178.53,845.81) U205.GND@-1185.36,838.98 ; U205.GND@-1188.19,845.81 ccw(c-1178.53,845.81) U205.GND@-1185.36,838.98 ; U205.GND@-1188.19,845.81 ccw(c-1178.53,845.81) U205.GND@-1185.36,838.98 ; U205.GND@-1188.19,845.81 ccw(c-1178.53,845.81) U205.GND@-1185.36,838.98 ; U205.GND@-1185.36,833.33 cw(c-1159.6,807.57) U205.6@-1159.6,844 ; U205.GND@-1185.36,833.33 cw(c-1159.6,807.57) U205.6@-1159.6,844 ; U205.GND@-1185.36,833.33 cw(c-1159.6,807.57) U205.6@-1159.6,844 ; U205.GND@-1185.36,833.33 cw(c-1159.6,807.57) U205.6@-1159.6,844 ; U205.GND@-1179,847.85 ccw(c-1169.7,857.14) -1169.7,844 ; U205.GND@-1179,847.85 ccw(c-1169.7,857.14) -1169.7,844 ; U205.GND@-1179,847.85 ccw(c-1169.7,857.14) -1169.7,844 ; U205.GND@-1179,847.85 ccw(c-1169.7,857.14) -1169.7,844 ; U205.GND@-1177.7,830.98 cw(c-1152.03,812.19) U205.6@-1152.03,844 ; U205.GND@-1177.7,830.98 cw(c-1152.03,812.19) U205.6@-1152.03,844 ; U205.GND@-1177.7,830.98 cw(c-1152.03,812.19) U205.6@-1152.03,844 ; U205.GND@-1177.7,830.98 cw(c-1152.03,812.19) U205.6@-1152.03,844 ; -1161.05,844 cw(c-1161.05,835.29) U205.6@-1154.9,841.45 ; -1161.05,844 cw(c-1161.05,835.29) U205.6@-1154.9,841.45 ; -1161.05,844 cw(c-1161.05,835.29) U205.6@-1154.9,841.45 ; -1161.05,844 cw(c-1161.05,835.29) U205.6@-1154.9,841.45 ; U205.6@-1145.48,842.86 ccw(c-1138.95,849.4) -1138.95,840.16 ; U205.6@-1145.48,842.86 ccw(c-1138.95,849.4) -1138.95,840.16 ; U205.6@-1145.48,842.86 ccw(c-1138.95,849.4) -1138.95,840.16 ; U205.6@-1145.48,842.86 ccw(c-1138.95,849.4) -1138.95,840.16 ; -1120.2,805.23 cw(c-1156.89,768.54) R222.1@-1105,768.54 ; -1120.2,805.23 cw(c-1156.89,768.54) R222.1@-1105,768.54 ; -1120.2,805.23 cw(c-1156.89,768.54) R222.1@-1105,768.54 ; -1120.2,805.23 cw(c-1156.89,768.54) R222.1@-1105,768.54 ; -1111.9,1520.51 cw(c-1111.9,1489.13) C602.P$2@-1089.7,1511.32 ; -1111.9,1520.51 cw(c-1111.9,1489.13) C602.P$2@-1089.7,1511.32 ; -1111.9,1520.51 cw(c-1111.9,1489.13) C602.P$2@-1089.7,1511.32 ; -1111.9,1520.51 cw(c-1111.9,1489.13) C602.P$2@-1089.7,1511.32 ; -1104.52,789.55 ccw(c-1090,804.07) R222.1@-1090,783.54 ; -1104.52,789.55 ccw(c-1090,804.07) R222.1@-1090,783.54 ; -1104.52,789.55 ccw(c-1090,804.07) R222.1@-1090,783.54 ; -1104.52,789.55 ccw(c-1090,804.07) R222.1@-1090,783.54 ; R222.1@-1103.13,788.16 cw(c-1122.75,768.54) R222.1@-1095,768.54 ; R222.1@-1103.13,788.16 cw(c-1122.75,768.54) R222.1@-1095,768.54 ; R222.1@-1103.13,788.16 cw(c-1122.75,768.54) R222.1@-1095,768.54 ; R222.1@-1103.13,788.16 cw(c-1122.75,768.54) R222.1@-1095,768.54 ; R222.1@-1079.39,753.93 cw(c-1059.91,734.44) -1059.91,762 ; R222.1@-1079.39,753.93 cw(c-1059.91,734.44) -1059.91,762 ; R222.1@-1079.39,753.93 cw(c-1059.91,734.44) -1059.91,762 ; R222.1@-1079.39,753.93 cw(c-1059.91,734.44) -1059.91,762 ; R222.1@-1079.39,775.14 ccw(c-1047.66,806.87) -1047.66,762 ; R222.1@-1079.39,775.14 ccw(c-1047.66,806.87) -1047.66,762 ; R222.1@-1079.39,775.14 ccw(c-1047.66,806.87) -1047.66,762 ; R222.1@-1079.39,775.14 ccw(c-1047.66,806.87) -1047.66,762 ; v1@-1078.54,2090.54 ccw(c-1087.07,2099.07) -1075,2099.07 ; v1@-1078.54,2090.54 ccw(c-1087.07,2099.07) -1075,2099.07 ; v1@-1078.54,2090.54 ccw(c-1087.07,2099.07) -1075,2099.07 ; v1@-1078.54,2090.54 ccw(c-1087.07,2099.07) -1075,2099.07 ; -1075,2099.07 ccw(c-1062.93,2099.07) v1@-1071.46,2090.54 ; -1075,2099.07 ccw(c-1062.93,2099.07) v1@-1071.46,2090.54 ; -1075,2099.07 ccw(c-1062.93,2099.07) v1@-1071.46,2090.54 ; -1075,2099.07 ccw(c-1062.93,2099.07) v1@-1071.46,2090.54 ; -1054.89,762 cw(c-1054.89,730.61) C215.P$2@-1032.69,752.81 ; -1054.89,762 ccw(c-1054.89,793.38) C215.P$2@-1032.69,771.19 ; -1054.89,762 cw(c-1054.89,730.61) C215.P$2@-1032.69,752.81 ; -1054.89,762 ccw(c-1054.89,793.38) C215.P$2@-1032.69,771.19 ; -1054.89,762 cw(c-1054.89,730.61) C215.P$2@-1032.69,752.81 ; -1054.89,762 ccw(c-1054.89,793.38) C215.P$2@-1032.69,771.19 ; -1054.89,762 cw(c-1054.89,730.61) C215.P$2@-1032.69,752.81 ; -1054.89,762 ccw(c-1054.89,793.38) C215.P$2@-1032.69,771.19 ; U501.11@-950.17,2128.96 cw(c-945.35,2128.96) U501.11@-948.76,2132.37 ; U501.11@-950.17,2128.96 cw(c-945.35,2128.96) U501.11@-948.76,2132.37 ; U501.11@-950.17,2128.96 cw(c-945.35,2128.96) U501.11@-948.76,2132.37 ; U501.11@-950.17,2128.96 cw(c-945.35,2128.96) U501.11@-948.76,2132.37 ; U501.11@-940.17,2128.96 cw(c-911.2,2128.96) -931.69,2149.45 ; U501.11@-940.17,2128.96 cw(c-911.2,2128.96) -931.69,2149.45 ; U501.11@-940.17,2128.96 cw(c-911.2,2128.96) -931.69,2149.45 ; U501.11@-940.17,2128.96 cw(c-911.2,2128.96) -931.69,2149.45 ; -924.05,2157.08 cw(c-906,2139.03) C501.P$2@-906,2164.56 ; -924.05,2157.08 cw(c-906,2139.03) C501.P$2@-906,2164.56 ; -924.05,2157.08 cw(c-906,2139.03) C501.P$2@-906,2164.56 ; -924.05,2157.08 cw(c-906,2139.03) C501.P$2@-906,2164.56 ; C501.P$2@-889.05,2166.61 cw(c-868.8,2146.36) -868.8,2175 ; C501.P$2@-889.05,2166.61 cw(c-868.8,2146.36) -868.8,2175 ; C501.P$2@-889.05,2166.61 cw(c-868.8,2146.36) -868.8,2175 ; C501.P$2@-889.05,2166.61 cw(c-868.8,2146.36) -868.8,2175 ; -870.07,2175 cw(c-870.07,2162.93) D500.A@-861.54,2171.46 ; -870.07,2175 ccw(c-870.07,2187.07) D500.A@-861.54,2178.53 ; -870.07,2175 cw(c-870.07,2162.93) D500.A@-861.54,2171.46 ; -870.07,2175 ccw(c-870.07,2187.07) D500.A@-861.54,2178.53 ; -870.07,2175 cw(c-870.07,2162.93) D500.A@-861.54,2171.46 ; -870.07,2175 ccw(c-870.07,2187.07) D500.A@-861.54,2178.53 ; -870.07,2175 cw(c-870.07,2162.93) D500.A@-861.54,2171.46 ; -870.07,2175 ccw(c-870.07,2187.07) D500.A@-861.54,2178.53 ; D500.A@-854,2170 cw(c-854,2141.03) L502.GND@-833.51,2161.51 ; D500.A@-854,2170 cw(c-854,2141.03) L502.GND@-833.51,2161.51 ; D500.A@-854,2170 cw(c-854,2141.03) L502.GND@-833.51,2161.51 ; D500.A@-854,2170 cw(c-854,2141.03) L502.GND@-833.51,2161.51 ; U401.5@-552.13,1801.74 cw(c-545.19,1801.74) U401.5@-550.09,1806.65 ; U401.5@-552.13,1801.74 cw(c-545.19,1801.74) U401.5@-550.09,1806.65 ; U401.5@-552.13,1801.74 cw(c-545.19,1801.74) U401.5@-550.09,1806.65 ; U401.5@-552.13,1801.74 cw(c-545.19,1801.74) U401.5@-550.09,1806.65
  Top Layer w15: C303.P$2@-1965,157.44 C301.P$2@-1910,157.44 C302.P$2@-1855,157.44 C311.P$2@-1760,157.44 C308.P$2@-1703.33,157.44 v1(-1646.67,157.44) ; -1783,936 v3@-1777,942 ; C604.P$2@-1586.51,850.51 -1586.51,876.6 ; C306.P$2@-1515,157.44 C304.P$2@-1460,157.44 C305.P$2@-1400,157.44 C307.P$2@-1345,157.44 ; U402.4@-1389.8,644 U402.4@-1393.74,644 -1393.74,644.26 -1377,661 v1(-1377,663) ; R404.1@-748.27,1931.73 -749.54,1930.46 R404.1@-747,1930.46 ; C400.P$2@-591,1920 -568,1920 ; -1787.5,931.5 cw(c-1773.02,917.02) v3@-1768.99,937.1 ; -1787.5,931.5 cw(c-1773.02,917.02) v3@-1768.99,937.1 ; -1787.5,931.5 cw(c-1773.02,917.02) v3@-1768.99,937.1 ; -1586.51,875.86 ccw(c-1561.16,875.86) C604.P$2@-1579.09,857.94 ; -1586.51,875.86 ccw(c-1561.16,875.86) C604.P$2@-1579.09,857.94 ; -1586.51,875.86 ccw(c-1561.16,875.86) C604.P$2@-1579.09,857.94 ; -1586.51,875.86 ccw(c-1561.16,875.86) C604.P$2@-1579.09,857.94 ; C400.P$2@-580.59,1909.68 cw(c-568,1907.16) -568,1920 ; C400.P$2@-580.59,1909.68 cw(c-568,1907.16) -568,1920 ; C400.P$2@-580.59,1909.68 cw(c-568,1907.16) -568,1920 ; C400.P$2@-580.59,1909.68 cw(c-568,1907.16) -568,1920